# Allegro board 6089-119-RevB_08.brd (continued)
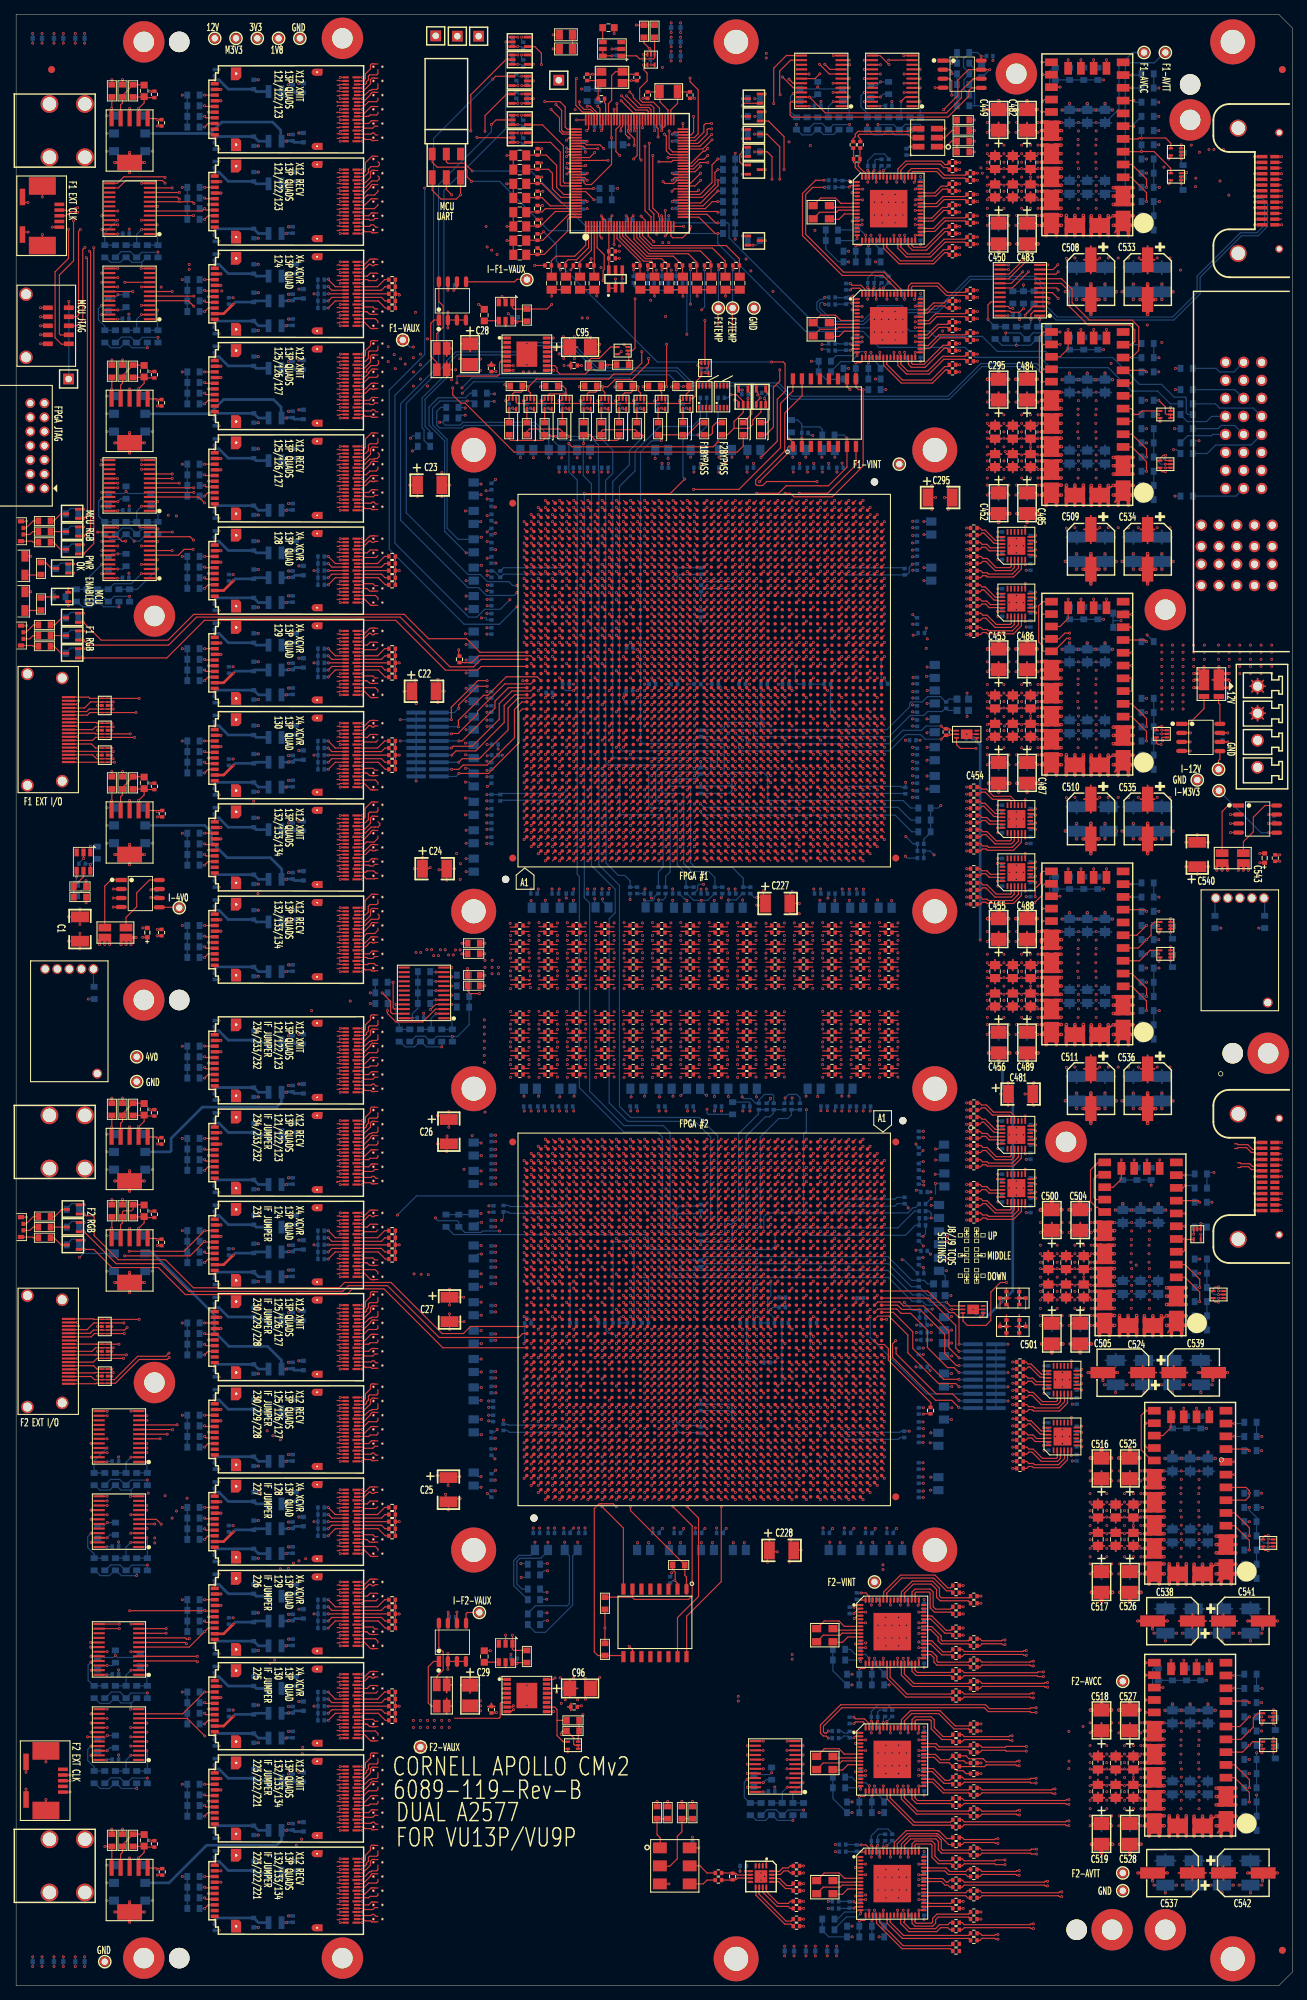
[diagram p0: board, top side]
## Routing (per net, layer and track width the routed paths; a pad name or vN(x,y) marks a point on that pad's centre or on a via; arc(x,y) is an arc through that point) (continued)
  SIG1 w0.079: v1(164.24,257.42) 163.71,257.95 157.7,257.95 149.7,265.95 123.25,265.95 122.71,266.49 121.68,266.49 121.48,266.3 118.03,266.3 117.15,267.18 94.78,267.18 88.55,260.95 85.65,260.95 v1(85.25,261.35)
  BOTTOM w0.165: R195.2 164.24,256.8 v1(164.24,257.42)
MCUEN_F1_INT: length 113.4
  TOP w0.165: v1(87.14,259.3) 87.14,260.28 86.23,261.19 86.23,261.51 86.3,261.58 U68.81 ; v1(161.07,223.4) 162,222.47 162,221.57 162.17,221.4 U111.2 U111.1
  SIG1 w0.079: v1(161.07,223.4) 160.15,224.32 160.15,249.25 159.66,249.74 159.26,249.74 152.37,256.63 152.34,256.61 151.96,256.61 147.86,260.7 104.9,260.7 103.65,259.45 97.2,259.45 96.48,258.73 87.62,258.73 87.15,259.2 87.15,259.3 v1(87.14,259.3)
  BOTTOM w0.165: R218.2 v1(161.07,223.4)
MCUEN_F1_VCCAUX: length 37
  TOP w0.165: U68.84 85.1,262.11 84.55,261.56 84.55,258.45 v1(85.1,257.9) ; R116.2 86.36,229.78 U66.1 U66.2 86.9,230.4 87.25,230.75 v1(87.25,237.7)
  SIG2 w0.079: v1(85.1,257.9) 87.65,255.35 87.65,238.1 v1(87.25,237.7)
MCUEN_F2_AVCC: length 333.4
  TOP w0.165: U68.86 v1(84.3,264.4) ; v1(177.24,32.92) U126.1 U126.2
  PWR4 w0.152: v1(168.15,258.75) 167.85,258.45 167.85,241.15 165.65,238.95 165.65,212.85 161.6,208.8 161.6,204.75 157.95,201.1 157.95,198.97 157.8,198.82 157.8,181.25 157.83,181.22 157.83,174.02 162.1,169.75 162.1,127.4 162.65,126.85 162.65,100 171,91.65 171,86.72 171.16,86.56 171.16,86.24 171,86.08 171,61.3 174.75,57.55 174.75,33.8 175.15,33.4 176.05,33.4 176.53,32.92 v1(177.24,32.92)
  SIG3 w0.079: v1(84.3,264.4) 104.1,264.4 109.5,269.8 119.27,269.8 122.27,266.8 124,266.8 125.65,265.15 127.26,265.15 127.28,265.13 127.58,265.13 127.6,265.15 144.5,265.15 144.85,264.8 160.4,264.8 164.6,260.6 166.3,260.6 v1(168.15,258.75)
  BOTTOM w0.165: v1(177.24,32.92) 177.24,32.3 R148.2
MCUEN_F2_AVTT: length 339.2
  TOP w0.165: v1(79.4,265.45) 79.4,265.05 80.05,264.4 80.95,264.4 81.39,263.96 81.39,263.91 81.5,263.8 U68.93 ; v1(177.24,36.92) U125.1 U125.2 v1(176.65,37.9)
  PWR4 w0.152: v1(168.85,258.75) 168.85,240.75 166.29,238.19 166.29,211.94 163.2,208.85 163.2,201.55 162.6,200.95 162.6,199.15 158.85,195.4 158.85,174.65 164,169.5 164,100.65 172.6,92.05 172.6,63.4 176.65,59.35 v1(176.65,37.9)
  SIG3 w0.079: v1(168.85,258.75) 168.85,262.55 166.1,265.3 162.3,265.3 161.05,266.55 137.5,266.55 135.9,268.15 127.5,268.15 127.29,268.36 127.28,268.36 127.06,268.57 127.06,268.59 123.75,271.9 117.48,271.9 117.03,271.45 107.05,271.45 100.4,264.8 82.75,264.8 82.1,265.45 v1(79.4,265.45)
  BOTTOM w0.165: R147.2 177.5,36.66 v1(177.24,36.92)
MCUEN_F2_INT: length 256.7
  TOP w0.165: v1(167,107.4) U119.1 U119.2 ; U68.85 84.7,264.22 84.71,264.23 84.71,264.57 84.7,264.58 v1(84.7,265.2)
  PWR4 w0.152: v1(170.2,258.7) 170.2,239.65 168,237.45 168,211.4 164.65,208.05 164.65,193.5 163.95,192.8 163.95,179.5 167.75,175.7 167.75,161.3 167.72,161.27 167.72,160.96 167.75,160.93 167.75,157.87 167.72,157.84 167.72,157.53 167.75,157.5 167.75,110.73 167,109.98 v1(167,107.4)
  SIG3 w0.079: v1(84.7,265.2) 99.9,265.2 107.3,272.6 156.55,272.6 163.25,265.9 166.2,265.9 170.2,261.9 v1(170.2,258.7)
  BOTTOM w0.165: v1(167,107.4) 167.36,107.4 R176.2
MCUEN_F2_VCCAUX: length 337.9
  TOP w0.165: U68.94 81.1,263.83 80.93,264 79.85,264 78.9,264.95 78.9,268.65 v1(79,268.75) ; v1(76.85,35.4) 76.85,35.73 77.02,35.9 R101.2 78.6,34.94 78.6,34.05 78.75,33.9 U61.2 U61.1
  PWR3 w0.152: v1(35.8,45.45) 54.95,45.45 65,35.4 v1(76.85,35.4)
  PWR4 w0.152: v1(35.8,45.45) 35.8,47.25 26.05,57 26.05,265.2 29.25,268.4 32.8,268.4 33.35,268.95 42.12,268.95 42.15,268.93 42.72,268.93 42.75,268.95 43.26,268.95 43.81,268.4 44.41,268.4 44.83,268.82 44.83,268.83 45.65,269.65 47.4,269.65 49.7,267.35 77.6,267.35 v1(79,268.75)
NCON1_TCDS_IN: length 145.9
  TOP w0.165: U75.BG33 118.39,191.29 ; P2.23 178.38,248.93
  SIG2 w0.083: 118.39,191.29 118.39,190.99 arc(118.37,190.93) 118.31,190.91 116.3,190.91 arc(115.91,190.75) 115.75,190.36 115.75,168.53 arc(115.8,168.27) 115.95,168.06 arc(116.13,167.93) 116.35,167.89 128.77,167.89 arc(130.66,168.27) 132.26,169.33 133.85,170.92 arc(134.56,171.99) 134.81,173.25 134.81,183.43 arc(135.1,184.89) 135.93,186.13 138.74,188.95 arc(139.12,189.51) 139.25,190.17 139.25,194.27 arc(139.42,195.13) 139.91,195.87 140.26,196.21 arc(140.79,196.57) 141.41,196.69 142,196.69 arc(142.88,196.86) 143.62,197.36 154.63,208.37 arc(155.13,209.12) 155.31,210.01 155.31,223.5 arc(155.5,224.48) 156.06,225.31 169.38,238.63 arc(170.14,239.77) 170.41,241.11 170.41,243.54 arc(170.56,244.3) 170.99,244.94 171.11,245.06 arc(171.64,245.42) 172.26,245.54 174.65,245.54 arc(176.17,245.84) 177.45,246.7 arc(177.77,247.19) 177.89,247.76 177.89,249.14 arc(177.91,249.2) 177.97,249.22 178.05,249.22 arc(178.09,249.21) 178.11,249.2 178.38,248.93
NCON1_TCDS_OUT: length 106.3
  TOP w0.165: P2.24 174.58,248.93 ; U75.BH40 119.39,198.29
  SIG2 w0.083: 174.58,248.93 174.85,249.2 arc(174.87,249.21) 174.91,249.22 174.99,249.22 arc(175.39,249.39) 175.56,249.79 175.56,257.22 arc(175.48,257.61) 175.26,257.94 175.13,258.07 arc(174.71,258.35) 174.22,258.45 173.12,258.45 arc(172.55,258.34) 172.06,258.01 157.89,243.84 arc(157.81,243.74) 157.76,243.63 arc(157.71,243.52) 157.63,243.42 151.75,237.54 arc(151.22,237.18) 150.59,237.06 149.68,237.06 arc(148.7,236.87) 147.88,236.32 133.85,222.28 arc(133.33,221.51) 133.15,220.6 133.15,205.48 arc(132.93,204.39) 132.31,203.46 124.42,195.56 arc(123.68,195.07) 122.82,194.9 120.3,194.9 arc(120.09,194.99) 120,195.2 120,197.45 arc(119.87,197.77) 119.56,197.9 119.47,197.9 arc(119.42,197.92) 119.39,197.98 119.39,198.29
NCON2_TCDS_IN: length 77.5
  TOP w0.165: U77.BG33 75.61,86.51 ; J8.3 138.7,95.35
  SIG3 w0.083: 75.61,86.51 75.61,86.82 arc(75.63,86.88) 75.69,86.9 arc(76.06,87.06) 76.21,87.42 76.21,94.5 arc(76.27,94.63) 76.4,94.69 125.07,94.69 125.16,94.6 125.49,94.6 125.58,94.69 125.91,94.69 126,94.6 126.33,94.6 126.42,94.69 126.75,94.69 126.84,94.6 127.17,94.6 127.26,94.69 127.59,94.69 127.68,94.6 128.01,94.6 128.1,94.69 136.06,94.69 arc(136.73,94.82) 137.3,95.2 arc(137.95,95.64) 138.72,95.79 140,95.79 arc(140.28,95.68) 140.39,95.4 140.39,95.26 arc(140.35,95.15) 140.23,95.1 139.57,95.1 arc(139.47,95.12) 139.38,95.17 arc(139.18,95.3) 138.96,95.35 138.7,95.35
NCON2_TCDS_MIXED_IN: length 48.9
  TOP w0.165: J8.1 140.21,96.9 ; P3.23 178.38,110.03
  SIG3 w0.083: 140.21,96.9 140.21,96.66 arc(140.23,96.6) 140.29,96.58 140.31,96.58 arc(140.37,96.56) 140.4,96.5 140.4,96.41 arc(140.53,96.09) 140.86,95.95 159.39,95.95 arc(160.18,96.11) 160.86,96.56 161.4,97.1 arc(161.54,97.27) 161.65,97.47 arc(161.72,97.7) 161.75,97.94 161.75,99.18 arc(161.85,99.66) 162.12,100.08 173.82,111.77 arc(174.06,111.93) 174.35,111.99 175.66,111.99 arc(175.89,111.95) 176.08,111.82 177.3,110.6 arc(177.61,110.39) 177.97,110.32 178.05,110.32 arc(178.09,110.31) 178.11,110.3 178.38,110.03
NCON2_TCDS_MIXED_OUT: length 47
  TOP w0.165: J9.1 140.21,92.9 ; P3.24 174.58,110.03
  SIG3 w0.083: 140.21,92.9 140.29,92.82 arc(140.37,92.7) 140.4,92.55 140.4,92.34 arc(140.5,92.09) 140.75,91.99 159.48,91.99 arc(160.51,92.19) 161.38,92.78 163.16,94.56 arc(163.71,95.38) 163.9,96.35 163.9,99.64 arc(164.03,100.3) 164.4,100.85 173.66,110.11 arc(173.89,110.27) 174.16,110.32 174.25,110.32 arc(174.28,110.31) 174.31,110.3 174.58,110.03
NCON2_TCDS_OUT: length 82.7
  TOP w0.165: J9.3 138.7,93.46 ; U77.BH40 74.61,79.51
  SIG3 w0.083: 138.7,93.46 140.31,93.46 arc(140.37,93.48) 140.4,93.54 140.4,93.75 arc(140.37,93.81) 140.3,93.84 136.46,93.84 arc(136.4,93.83) 136.34,93.79 136.29,93.74 arc(136.13,93.64) 135.95,93.6 132.63,93.6 132.53,93.5 132.2,93.5 132.1,93.6 131.77,93.6 131.67,93.5 131.34,93.5 131.24,93.6 130.91,93.6 130.81,93.5 130.48,93.5 130.38,93.6 126.5,93.6 arc(126.18,93.55) 125.88,93.42 arc(125.72,93.33) 125.55,93.27 arc(125.46,93.26) 125.37,93.25 77.29,93.25 arc(77.23,93.23) 77.21,93.17 77.21,80.41 arc(77.06,80.05) 76.7,79.9 74.69,79.9 arc(74.63,79.88) 74.61,79.82 74.61,79.51
Net_193: length 1.1
  TOP w0.165: 120.7,271.32 v1(119.57,271.32)
Net_2189: length 1.1
  TOP w0.165: 13.2,211.07 v1(14.33,211.07)
Net_2190: length 1.1
  TOP w0.165: 13.2,210.43 v1(12.07,210.43)
Net_2361: length 1.1
  TOP w0.165: 109.8,27.32 v1(110.93,27.32)
Net_3137: length 0.6
  TOP w0.165: 88,194.9 v1(87.61,195.29)
Net_3148: length 0.6
  TOP w0.165: 89,194.9 v1(88.61,195.29)
Net_3324: length 1.1
  TOP w0.165: 11.7,47.08 v1(12.83,47.08)
Net_3326: length 1.1
  TOP w0.165: 11.7,46.42 v1(10.57,46.42)
NF1_A_RECV0: length 22.3
  TOP w0.165: U75.AU1 108.39,158.51 ; 105.69,141.73 106.38,141.73 C217.1
  SIG4 w0.083: 108.39,158.51 108.39,158.82 arc(108.42,158.88) 108.47,158.9 108.56,158.9 arc(108.72,158.84) 108.79,158.67 108.79,158.11 108.6,157.92 108.6,157.59 108.79,157.4 108.79,157.07 108.6,156.88 108.6,156.55 108.79,156.36 108.79,156.03 108.6,155.84 108.6,155.51 108.79,155.32 108.79,154.17 108.6,153.98 108.6,153.65 108.79,153.46 108.79,152.14 arc(108.62,151.31) 108.15,150.6 arc(107.81,150.09) 107.69,149.48 107.69,141.9 arc(107.58,141.62) 107.3,141.51 106.22,141.51 arc(105.93,141.57) 105.69,141.73
NF1_A_RECV1: length 21.2
  TOP w0.165: 105.69,144.23 106.38,144.23 C215.1 ; U75.AT3 107.39,160.51
  SIG4 w0.083: 105.69,144.23 105.71,144.21 arc(105.93,144.06) 106.2,144.01 107.1,144.01 arc(107.16,144.04) 107.19,144.1 107.19,149.17 arc(107.29,149.94) 107.57,150.66 arc(107.57,150.66) 107.57,150.66 107.57,150.67 arc(107.57,150.67) 107.58,150.67 arc(107.58,150.67) 107.58,150.67 arc(107.58,150.67) 107.58,150.67 arc(107.74,151.07) 107.79,151.5 107.79,153.79 107.65,153.93 107.65,154.26 107.79,154.4 107.79,154.73 107.65,154.87 107.65,155.2 107.79,155.34 107.79,155.67 107.65,155.81 107.65,156.14 107.79,156.28 107.79,156.61 107.65,156.75 107.65,157.08 107.79,157.22 107.79,157.55 107.65,157.69 107.65,158.02 107.79,158.16 107.79,160.67 arc(107.72,160.84) 107.56,160.9 107.47,160.9 arc(107.42,160.88) 107.39,160.82 107.39,160.51
NF1_A_RECV2: length 16
  TOP w0.165: C213.1 106.38,146.73 105.69,146.73 ; U75.AR1 106.39,158.51
  SIG4 w0.083: 105.69,146.73 105.76,146.66 arc(105.93,146.55) 106.12,146.51 arc(106.3,146.55) 106.45,146.65 arc(106.6,146.87) 106.65,147.13 106.65,150.01 arc(106.67,150.12) 106.72,150.21 arc(106.77,150.31) 106.79,150.41 106.79,154.11 106.6,154.31 106.6,154.64 106.79,154.83 106.79,155.16 106.6,155.35 106.6,155.68 106.79,155.87 106.79,156.2 106.6,156.39 106.6,156.72 106.79,156.91 106.79,157.24 106.6,157.43 106.6,157.76 106.79,157.95 106.79,158.67 arc(106.72,158.84) 106.56,158.9 106.47,158.9 arc(106.42,158.88) 106.39,158.82 106.39,158.51
NF1_A_RECV3: length 15.4
  TOP w0.165: U75.AP3 105.39,160.51 ; C211.1 106.38,149.23 105.7,149.23 105.7,149.17
  SIG4 w0.083: 105.39,160.51 105.39,160.82 arc(105.42,160.88) 105.47,160.9 105.56,160.9 arc(105.72,160.84) 105.79,160.67 105.79,157.81 105.65,157.67 105.65,157.34 105.79,157.2 105.79,156.87 105.65,156.73 105.65,156.4 105.79,156.26 105.79,155.93 105.65,155.79 105.65,155.46 105.79,155.31 105.79,154.1 105.65,153.96 105.65,153.63 105.79,153.49 105.79,153.16 105.65,153.02 105.65,152.69 105.79,152.55 105.79,152.22 105.65,152.08 105.65,151.75 105.79,151.61 105.79,150.49 arc(105.83,150.28) 105.95,150.1 105.99,150.06 arc(106.1,149.9) 106.14,149.7 106.14,149.16 arc(106.08,149.03) 105.95,148.97 105.87,148.97 arc(105.81,149) 105.79,149.06 105.79,149.09 arc(105.76,149.15) 105.7,149.17
NF1_A_XMIT0: length 39.8
  TOP w0.165: C225.2 106.38,129.23 105.69,129.23 ; U75.AU6 108.39,163.51
  SIG3 w0.083: 105.69,129.23 105.9,129.02 arc(105.92,129.01) 105.95,129 107.1,129 arc(107.52,129.17) 107.69,129.59 107.69,129.86 107.55,130 107.55,130.33 107.69,130.47 107.69,130.8 107.55,130.94 107.55,131.27 107.69,131.41 107.69,150.05 arc(107.77,150.45) 108,150.8 108.35,151.15 arc(108.68,151.64) 108.8,152.23 108.8,155.21 108.7,155.31 108.7,155.64 108.8,155.74 108.8,156.07 108.7,156.17 108.7,156.5 108.8,156.6 108.8,156.93 108.7,157.03 108.7,157.36 108.8,157.46 108.8,157.79 108.7,157.89 108.7,158.22 108.8,158.32 108.8,163.66 arc(108.73,163.83) 108.56,163.9 108.47,163.9 arc(108.42,163.88) 108.39,163.82 108.39,163.51
NF1_A_XMIT1: length 38.6
  TOP w0.165: C223.2 106.38,131.73 105.69,131.73 ; U75.AT8 107.39,165.51
  SIG3 w0.083: 107.39,165.51 107.39,165.82 arc(107.42,165.88) 107.47,165.9 107.56,165.9 arc(107.73,165.83) 107.8,165.66 107.8,158.2 107.65,158.05 107.65,157.72 107.8,157.57 107.8,157.24 107.65,157.09 107.65,156.76 107.8,156.61 107.8,156.28 107.65,156.13 107.65,155.8 107.8,155.65 107.8,155.32 107.65,155.17 107.65,154.84 107.8,154.69 107.8,154.36 107.65,154.21 107.65,153.88 107.8,153.73 107.8,152.28 arc(107.75,152.02) 107.6,151.8 107.38,151.58 arc(107.13,151.2) 107.04,150.75 107.04,132.14 arc(106.85,131.69) 106.4,131.5 105.95,131.5 arc(105.92,131.51) 105.9,131.52 105.69,131.73
NF1_A_XMIT2: length 33.5
  TOP w0.165: C221.2 106.38,134.23 105.69,134.23 ; U75.AR6 106.39,163.51
  SIG3 w0.083: 106.39,163.51 106.39,163.82 arc(106.42,163.88) 106.47,163.9 106.56,163.9 arc(106.73,163.83) 106.8,163.66 106.8,158.22 106.65,158.07 106.65,157.74 106.8,157.59 106.8,157.26 106.65,157.11 106.65,156.78 106.8,156.63 106.8,156.3 106.65,156.15 106.65,155.82 106.8,155.67 106.8,155.34 106.65,155.19 106.65,154.86 106.8,154.71 106.8,154.38 106.65,154.23 106.65,153.9 106.8,153.75 106.8,152.43 arc(106.75,152.17) 106.6,151.95 arc(106.52,151.82) 106.49,151.68 106.49,134.39 arc(106.38,134.11) 106.1,134 105.95,134 arc(105.92,134.01) 105.9,134.02 105.69,134.23
NF1_A_XMIT3: length 33.1
  TOP w0.165: C219.2 106.38,136.73 105.7,136.73 ; U75.AP8 105.39,165.51
  SIG3 w0.083: 105.39,165.51 105.39,165.82 arc(105.42,165.88) 105.47,165.9 105.56,165.9 arc(105.69,165.85) 105.74,165.72 105.74,158.08 105.55,157.89 105.55,157.56 105.74,157.37 105.74,157.04 105.55,156.85 105.55,156.52 105.74,156.33 105.74,156 105.55,155.81 105.55,155.48 105.74,155.29 105.74,154.19 105.6,154.04 105.45,153.9 105.45,153.57 105.6,153.42 105.74,153.28 105.74,152.55 arc(105.66,152.1) 105.42,151.71 105.41,151.7 arc(105.17,151.32) 105.09,150.88 105.09,139.4 arc(105.17,139) 105.4,138.65 105.86,138.19 arc(106,137.99) 106.05,137.75 106.05,136.82 arc(106,136.64) 105.87,136.5 arc(105.86,136.5) 105.85,136.5 arc(105.81,136.53) 105.79,136.58 105.79,136.64 arc(105.76,136.7) 105.7,136.73
NF1_B_RECV0: length 22.4
  TOP w0.165: 101.69,141.73 102.38,141.73 C201.1 ; U75.AN1 104.39,158.51
  SIG4 w0.083: 104.39,158.51 104.39,158.82 arc(104.42,158.88) 104.47,158.9 104.56,158.9 arc(104.72,158.84) 104.79,158.67 104.79,158.11 104.6,157.92 104.6,157.59 104.79,157.4 104.79,157.07 104.6,156.88 104.6,156.55 104.79,156.36 104.79,156.03 104.6,155.84 104.6,155.51 104.79,155.32 104.79,154.17 104.6,153.98 104.6,153.65 104.79,153.46 104.79,152.04 arc(104.62,151.21) 104.15,150.5 104.05,150.4 arc(103.78,150) 103.69,149.53 103.69,141.9 arc(103.58,141.62) 103.3,141.51 102.22,141.51 arc(101.93,141.57) 101.69,141.73
NF1_B_RECV1: length 21.2
  TOP w0.165: 101.69,144.23 102.38,144.23 C199.1 ; U75.AM3 103.39,160.51
  SIG4 w0.083: 103.39,160.51 103.39,160.82 arc(103.42,160.88) 103.47,160.9 103.56,160.9 arc(103.72,160.84) 103.79,160.67 103.79,158.16 103.65,158.02 103.65,157.69 103.79,157.55 103.79,157.22 103.65,157.08 103.65,156.75 103.79,156.61 103.79,156.28 103.65,156.14 103.65,155.81 103.79,155.67 103.79,155.34 103.65,155.2 103.65,154.87 103.79,154.73 103.79,154.4 103.65,154.26 103.65,153.93 103.79,153.79 103.79,151.5 arc(103.74,151.07) 103.58,150.67 arc(103.58,150.67) 103.58,150.67 arc(103.58,150.67) 103.58,150.67 arc(103.57,150.67) 103.57,150.67 103.57,150.66 arc(103.57,150.66) 103.57,150.66 arc(103.29,149.94) 103.19,149.17 103.19,144.1 arc(103.16,144.04) 103.1,144.01 102.2,144.01 arc(101.93,144.06) 101.71,144.21 101.69,144.23
NF1_B_RECV2: length 16
  TOP w0.165: U75.AL1 102.39,158.51 ; 101.69,146.73 102.38,146.73 C197.1
  SIG4 w0.083: 102.39,158.51 102.39,158.82 arc(102.42,158.88) 102.47,158.9 102.56,158.9 arc(102.72,158.84) 102.79,158.67 102.79,157.95 102.6,157.76 102.6,157.43 102.79,157.24 102.79,156.91 102.6,156.72 102.6,156.39 102.79,156.2 102.79,155.87 102.6,155.68 102.6,155.35 102.79,155.16 102.79,154.83 102.6,154.64 102.6,154.31 102.79,154.11 102.79,150.41 arc(102.77,150.31) 102.72,150.21 arc(102.67,150.12) 102.65,150.01 102.65,147.13 arc(102.6,146.87) 102.45,146.65 arc(102.3,146.55) 102.12,146.51 arc(101.93,146.55) 101.76,146.66 101.69,146.73
NF1_B_RECV3: length 15.2
  TOP w0.165: U75.AK3 101.39,160.51 ; C195.1 102.38,149.23 101.7,149.23
  SIG4 w0.083: 101.39,160.51 101.39,160.82 arc(101.42,160.88) 101.47,160.9 101.56,160.9 arc(101.72,160.84) 101.79,160.67 101.79,157.81 101.65,157.67 101.65,157.34 101.79,157.2 101.79,156.87 101.65,156.73 101.65,156.4 101.79,156.26 101.79,155.93 101.65,155.79 101.65,155.46 101.79,155.31 101.79,154.1 101.65,153.96 101.65,153.63 101.79,153.49 101.79,153.16 101.65,153.02 101.65,152.69 101.79,152.55 101.79,152.22 101.65,152.08 101.65,151.75 101.79,151.61 101.79,150.68 arc(101.86,150.34) 102.05,150.05 arc(102.08,150.01) 102.09,149.96 102.09,149.1 arc(102.06,149.04) 102,149.01 arc(101.93,149.02) 101.86,149.07 101.7,149.23
NF1_B_XMIT0: length 39.8
  TOP w0.165: 101.69,129.23 102.38,129.23 C209.2 ; U75.AN6 104.39,163.51
  SIG3 w0.083: 104.39,163.51 104.39,163.82 arc(104.42,163.88) 104.47,163.9 104.56,163.9 arc(104.73,163.83) 104.8,163.66 104.8,158.32 104.7,158.22 104.7,157.89 104.8,157.79 104.8,157.46 104.7,157.36 104.7,157.03 104.8,156.93 104.8,156.6 104.7,156.5 104.7,156.17 104.8,156.07 104.8,155.74 104.7,155.64 104.7,155.31 104.8,155.21 104.8,152.23 arc(104.68,151.64) 104.35,151.15 104,150.8 arc(103.77,150.45) 103.69,150.05 103.69,131.41 103.55,131.27 103.55,130.94 103.69,130.8 103.69,130.47 103.55,130.33 103.55,130 103.69,129.86 103.69,129.59 arc(103.52,129.17) 103.1,129 101.95,129 arc(101.92,129.01) 101.9,129.02 101.69,129.23
NF1_B_XMIT1: length 38.6
  TOP w0.165: U75.AM8 103.39,165.51 ; 101.69,131.73 102.38,131.73 C207.2
  SIG3 w0.083: 101.69,131.73 101.9,131.52 arc(101.92,131.51) 101.95,131.5 102.4,131.5 arc(102.85,131.69) 103.04,132.14 103.04,150.75 arc(103.13,151.2) 103.38,151.58 103.6,151.8 arc(103.75,152.02) 103.8,152.28 103.8,153.73 103.65,153.88 103.65,154.21 103.8,154.36 103.8,154.69 103.65,154.84 103.65,155.17 103.8,155.32 103.8,155.65 103.65,155.8 103.65,156.13 103.8,156.28 103.8,156.61 103.65,156.76 103.65,157.09 103.8,157.24 103.8,157.57 103.65,157.72 103.65,158.05 103.8,158.2 103.8,165.66 arc(103.73,165.83) 103.56,165.9 103.47,165.9 arc(103.42,165.88) 103.39,165.82 103.39,165.51
NF1_B_XMIT2: length 33.5
  TOP w0.165: 101.69,134.23 102.38,134.23 C205.2 ; U75.AL6 102.39,163.51
  SIG3 w0.083: 102.39,163.51 102.39,163.82 arc(102.42,163.88) 102.47,163.9 102.56,163.9 arc(102.73,163.83) 102.8,163.66 102.8,158.22 102.65,158.07 102.65,157.74 102.8,157.59 102.8,157.26 102.65,157.11 102.65,156.78 102.8,156.63 102.8,156.3 102.65,156.15 102.65,155.82 102.8,155.67 102.8,155.34 102.65,155.19 102.65,154.86 102.8,154.71 102.8,154.38 102.65,154.23 102.65,153.9 102.8,153.75 102.8,152.43 arc(102.75,152.17) 102.6,151.95 arc(102.52,151.82) 102.49,151.68 102.49,134.39 arc(102.38,134.11) 102.1,134 101.95,134 arc(101.92,134.01) 101.9,134.02 101.69,134.23
NF1_B_XMIT3: length 33.1
  TOP w0.165: U75.AK8 101.39,165.51 ; 101.7,136.73 102.38,136.73 C203.2
  SIG3 w0.083: 101.39,165.51 101.39,165.82 arc(101.42,165.88) 101.47,165.9 101.56,165.9 arc(101.69,165.85) 101.74,165.72 101.74,158.08 101.55,157.89 101.55,157.56 101.74,157.37 101.74,157.04 101.55,156.85 101.55,156.52 101.74,156.33 101.74,156 101.55,155.81 101.55,155.48 101.74,155.29 101.74,154.19 101.6,154.04 101.45,153.9 101.45,153.57 101.6,153.42 101.74,153.28 101.74,152.55 arc(101.66,152.1) 101.42,151.71 101.41,151.7 arc(101.17,151.32) 101.09,150.88 101.09,139.4 arc(101.17,139) 101.4,138.65 101.86,138.19 arc(102,137.99) 102.05,137.75 102.05,136.82 arc(102,136.64) 101.87,136.5 arc(101.86,136.5) 101.85,136.5 arc(101.81,136.53) 101.79,136.58 101.79,136.64 arc(101.76,136.7) 101.7,136.73
NF1_C_RECV0: length 22.3
  TOP w0.165: 97.69,141.73 98.38,141.73 C181.1 ; U75.AJ1 100.39,158.51
  SIG4 w0.083: 100.39,158.51 100.39,158.82 arc(100.42,158.88) 100.47,158.9 100.56,158.9 arc(100.72,158.84) 100.79,158.67 100.79,158.11 100.6,157.92 100.6,157.59 100.79,157.4 100.79,157.07 100.6,156.88 100.6,156.55 100.79,156.36 100.79,156.03 100.6,155.84 100.6,155.51 100.79,155.32 100.79,154.17 100.6,153.98 100.6,153.65 100.79,153.46 100.79,152.14 arc(100.62,151.31) 100.15,150.6 arc(99.81,150.09) 99.69,149.48 99.69,141.9 arc(99.58,141.62) 99.3,141.51 98.22,141.51 arc(97.93,141.57) 97.69,141.73
NF1_C_RECV1: length 21.2
  TOP w0.165: U75.AH3 99.39,160.51 ; C179.1 98.38,144.23 97.69,144.23
  SIG4 w0.083: 99.39,160.51 99.39,160.82 arc(99.42,160.88) 99.47,160.9 99.56,160.9 arc(99.72,160.84) 99.79,160.67 99.79,158.16 99.65,158.02 99.65,157.69 99.79,157.55 99.79,157.22 99.65,157.08 99.65,156.75 99.79,156.61 99.79,156.28 99.65,156.14 99.65,155.81 99.79,155.67 99.79,155.34 99.65,155.2 99.65,154.87 99.79,154.73 99.79,154.4 99.65,154.26 99.65,153.93 99.79,153.79 99.79,151.5 arc(99.74,151.07) 99.58,150.67 arc(99.58,150.67) 99.58,150.67 arc(99.58,150.67) 99.58,150.67 arc(99.57,150.67) 99.57,150.67 99.57,150.66 arc(99.57,150.66) 99.57,150.66 arc(99.29,149.94) 99.19,149.17 99.19,144.1 arc(99.16,144.04) 99.1,144.01 98.2,144.01 arc(97.93,144.06) 97.71,144.21 97.69,144.23
NF1_C_RECV2: length 16
  TOP w0.165: C177.1 98.38,146.73 97.69,146.73 ; U75.AG1 98.39,158.51
  SIG4 w0.083: 97.69,146.73 97.76,146.66 arc(97.93,146.55) 98.12,146.51 arc(98.3,146.55) 98.45,146.65 arc(98.6,146.87) 98.65,147.13 98.65,150.01 arc(98.67,150.12) 98.72,150.21 arc(98.77,150.31) 98.79,150.41 98.79,154.11 98.6,154.31 98.6,154.64 98.79,154.83 98.79,155.16 98.6,155.35 98.6,155.68 98.79,155.87 98.79,156.2 98.6,156.39 98.6,156.72 98.79,156.91 98.79,157.24 98.6,157.43 98.6,157.76 98.79,157.95 98.79,158.67 arc(98.72,158.84) 98.56,158.9 98.47,158.9 arc(98.42,158.88) 98.39,158.82 98.39,158.51
NF1_C_RECV3: length 15.2
  TOP w0.165: C175.1 98.38,149.23 97.7,149.23 ; U75.AF3 97.39,160.51
  SIG4 w0.083: 97.39,160.51 97.39,160.82 arc(97.42,160.88) 97.47,160.9 97.56,160.9 arc(97.72,160.84) 97.79,160.67 97.79,157.81 97.65,157.67 97.65,157.34 97.79,157.2 97.79,156.87 97.65,156.73 97.65,156.4 97.79,156.26 97.79,155.93 97.65,155.79 97.65,155.46 97.79,155.31 97.79,154.1 97.65,153.96 97.65,153.63 97.79,153.49 97.79,153.16 97.65,153.02 97.65,152.69 97.79,152.55 97.79,152.22 97.65,152.08 97.65,151.75 97.79,151.61 97.79,150.68 arc(97.86,150.34) 98.05,150.05 arc(98.08,150.01) 98.09,149.96 98.09,149.1 arc(98.06,149.04) 98,149.01 arc(97.93,149.02) 97.86,149.07 97.7,149.23
NF1_C_XMIT0: length 39.8
  TOP w0.165: 97.69,129.23 98.38,129.23 C189.2 ; U75.AJ6 100.39,163.51
  SIG3 w0.083: 100.39,163.51 100.39,163.82 arc(100.42,163.88) 100.47,163.9 100.56,163.9 arc(100.73,163.83) 100.8,163.66 100.8,158.32 100.7,158.22 100.7,157.89 100.8,157.79 100.8,157.46 100.7,157.36 100.7,157.03 100.8,156.93 100.8,156.6 100.7,156.5 100.7,156.17 100.8,156.07 100.8,155.74 100.7,155.64 100.7,155.31 100.8,155.21 100.8,152.23 arc(100.68,151.64) 100.35,151.15 100,150.8 arc(99.77,150.45) 99.69,150.05 99.69,131.41 99.55,131.27 99.55,130.94 99.69,130.8 99.69,130.47 99.55,130.33 99.55,130 99.69,129.86 99.69,129.59 arc(99.52,129.17) 99.1,129 97.95,129 arc(97.92,129.01) 97.9,129.02 97.69,129.23
NF1_C_XMIT1: length 38.6
  TOP w0.165: U75.AH8 99.39,165.51 ; 97.69,131.73 98.38,131.73 C187.2
  SIG3 w0.083: 97.69,131.73 97.9,131.52 arc(97.92,131.51) 97.95,131.5 98.4,131.5 arc(98.85,131.69) 99.04,132.14 99.04,150.75 arc(99.13,151.2) 99.38,151.58 99.6,151.8 arc(99.75,152.02) 99.8,152.28 99.8,153.73 99.65,153.88 99.65,154.21 99.8,154.36 99.8,154.69 99.65,154.84 99.65,155.17 99.8,155.32 99.8,155.65 99.65,155.8 99.65,156.13 99.8,156.28 99.8,156.61 99.65,156.76 99.65,157.09 99.8,157.24 99.8,157.57 99.65,157.72 99.65,158.05 99.8,158.2 99.8,165.66 arc(99.73,165.83) 99.56,165.9 99.47,165.9 arc(99.42,165.88) 99.39,165.82 99.39,165.51
NF1_C_XMIT2: length 33.5
  TOP w0.165: 97.69,134.23 98.38,134.23 C185.2 ; U75.AG6 98.39,163.51
  SIG3 w0.083: 98.39,163.51 98.39,163.82 arc(98.42,163.88) 98.47,163.9 98.56,163.9 arc(98.73,163.83) 98.8,163.66 98.8,158.22 98.65,158.07 98.65,157.74 98.8,157.59 98.8,157.26 98.65,157.11 98.65,156.78 98.8,156.63 98.8,156.3 98.65,156.15 98.65,155.82 98.8,155.67 98.8,155.34 98.65,155.19 98.65,154.86 98.8,154.71 98.8,154.38 98.65,154.23 98.65,153.9 98.8,153.75 98.8,152.43 arc(98.75,152.17) 98.6,151.95 arc(98.52,151.82) 98.49,151.68 98.49,134.39 arc(98.38,134.11) 98.1,134 97.95,134 arc(97.92,134.01) 97.9,134.02 97.69,134.23
NF1_C_XMIT3: length 33.1
  TOP w0.165: C183.2 98.38,136.73 97.7,136.73 ; U75.AF8 97.39,165.51
  SIG3 w0.083: 97.39,165.51 97.39,165.82 arc(97.42,165.88) 97.47,165.9 97.56,165.9 arc(97.69,165.85) 97.74,165.72 97.74,158.08 97.55,157.89 97.55,157.56 97.74,157.37 97.74,157.04 97.55,156.85 97.55,156.52 97.74,156.33 97.74,156 97.55,155.81 97.55,155.48 97.74,155.29 97.74,154.19 97.6,154.04 97.45,153.9 97.45,153.57 97.6,153.42 97.74,153.28 97.74,152.55 arc(97.66,152.1) 97.42,151.71 97.41,151.7 arc(97.17,151.32) 97.09,150.88 97.09,139.4 arc(97.17,139) 97.4,138.65 97.86,138.19 arc(98,137.99) 98.05,137.75 98.05,136.82 arc(98,136.64) 97.87,136.5 arc(97.86,136.5) 97.85,136.5 arc(97.81,136.53) 97.79,136.58 97.79,136.64 arc(97.76,136.7) 97.7,136.73
